# Altium PCB Panelizado.PcbDoc (part 2 of 4)
Units mm, origin at the board's own origin, x right, y up, seen from the top; angles counter-clockwise.
Board outline 420 x 503 mm, 2 copper layers (Top Layer, Bottom Layer); 456 components, 297 nets, 1240 pads, 557 vias.
Unrouted connection lines stored in the file: 247.
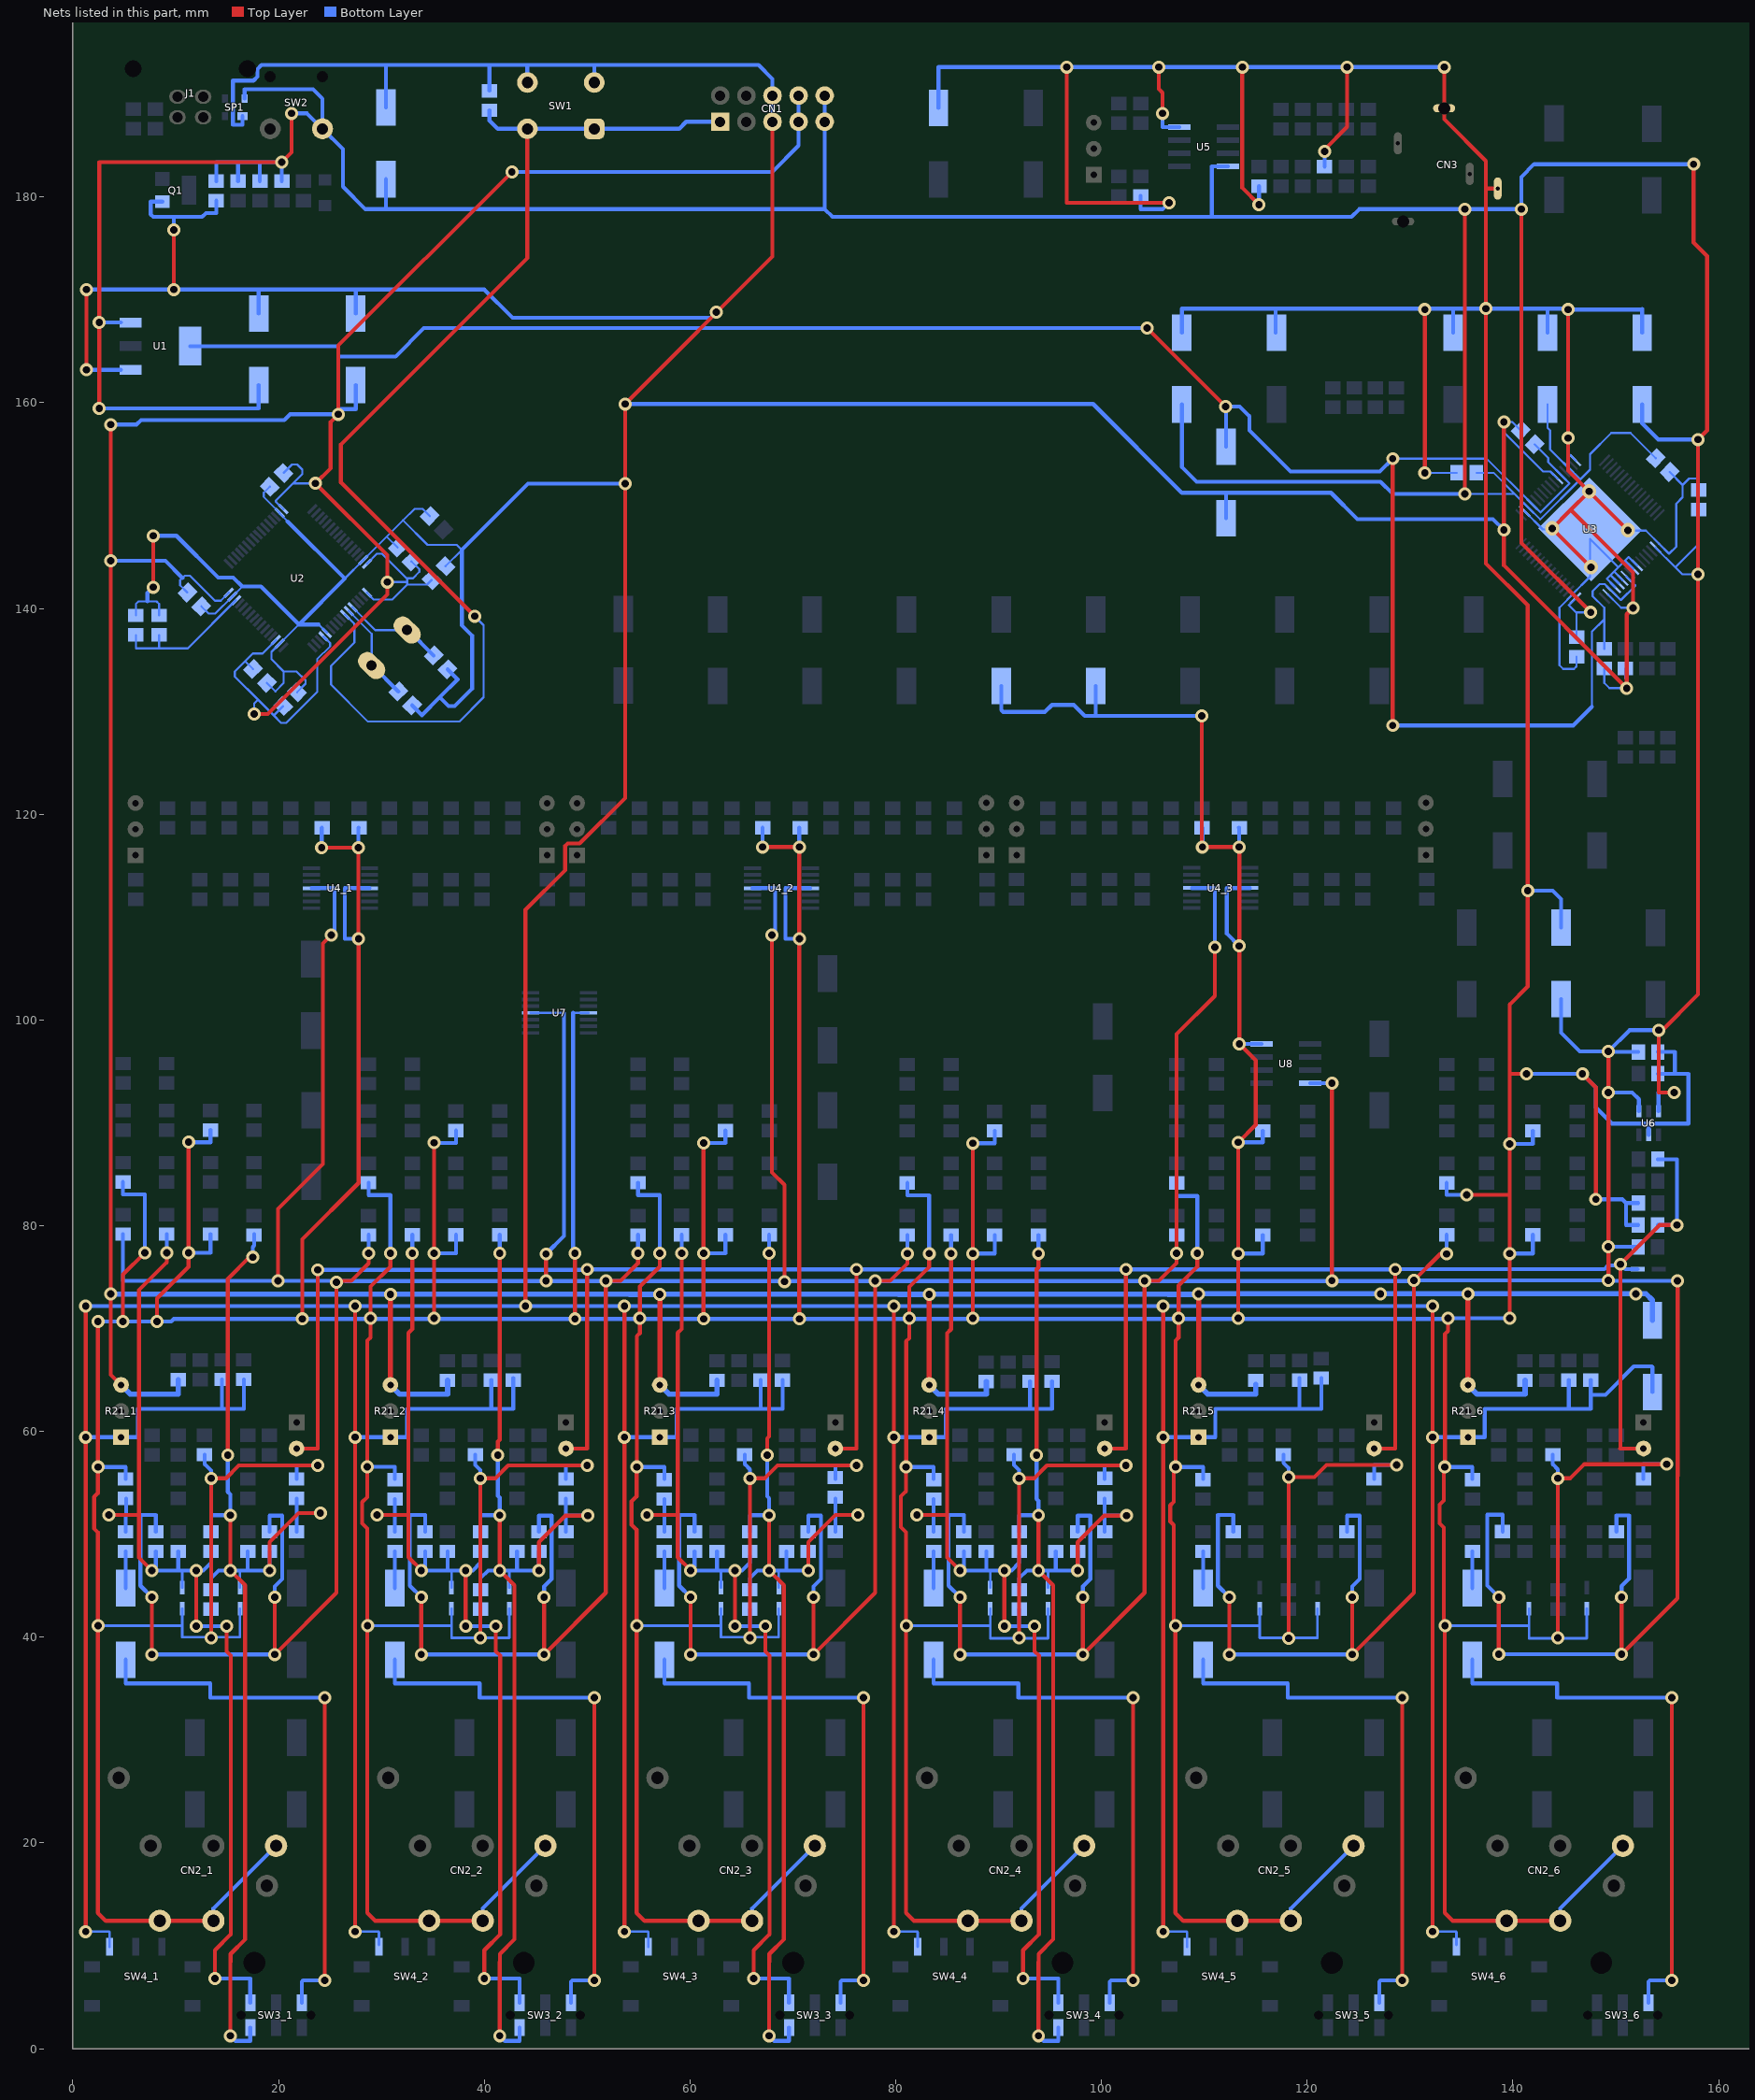
[diagram p2: the nets of this part, all layers, seen from the top]

## Part data
B1: "Conecta distintos planos de masa por una pista"
C3 C4 C5 C6 C7 C8 C9 C10 C11 C12 C13 C15 C17_1 C17_2 C17_3 C17_4 C17_5 C17_6 C21 C22 C25 C26 C29 C30 C49_1 C49_2 C49_3 C49_4 C49_5 C49_6 C50_1 C50_2 C50_3 C50_4 C50_5 C50_6 C51_1 C51_2 C51_3 C52_1 C52_2 C52_3 C53_1 C53_2 C53_3 C54_1 C54_2 C54_3 C55_1 C55_2 C55_3 C56_1 C56_2 C56_3 C59_1 C59_2 C59_3 C60_1 C60_2 C60_3 C61 C63 C66 C68 C69 C70 C71 C72 C73 C74 C75 C76 C77 C78 C79 C80 C81 C82 C83 C84 C85 C86 C87 C88 C89_1 C89_2 C89_3 C89_4 C89_5 C89_6 C90_1 C90_2 C90_3 C90_4 C90_5 C90_6 C91_1 C91_2 C91_3 C91_4 C91_5 C91_6 C92_1 C92_2 C92_3 C92_4 C92_5 C92_6 C93_1 C93_2 C93_3 C93_4 C93_5 C93_6: "Capacitor de placas paralelas", tolerancia=X7R, Encapsulado=0805, tension=25V, Valor=100nF
CN1: "STLINK V2 Mini"
D1: library part Led, Color=Verde, Cod. Proveedor=67-1549-1-ND, Encapsulado=SMD, Link=https://www.digikey.com/product-detail/es/SML-LX0603GW-TR/67-1549-1-ND/304360?utm_campaign=buynow&WT.z_cid=ref_octopart_dkc_buynow&utm_medium=aggregator&curr=usd&site=us&utm_source=octopart, Proveedor=Digi-Key
D2 D3_1 D3_2 D3_3 D3_4 D3_5 D3_6 D4_1 D4_2 D4_3 D4_4 D4_5 D4_6: library part "Schottky Diode", Cod. Proveedor=1727-5845-1-ND, Encapsulado=SOD-128, Fabricante=Nexperia, Link=https://www.digikey.com/product-detail/es/PMEG6010EP,115/1727-5845-1-ND/2697507?utm_campaign=buynow&WT.z_cid=ref_octopart_dkc_buynow&utm_medium=aggregator&curr=usd&site=us&utm_source=octopart, Proveedor=Digi-Key
J1: "Conector micro USB tipo B", Cod. Proveedor=CO4821095, Encapsulado="SMD B TYPE SIDE ENTRY", Proveedor=Elemon
L1: library part Inductor, Cod. Proveedor=478-7137-1-ND, Encapsulado=SMD, Fabricante="AVX Corporation", Link=https://www.digikey.com/product-detail/es/L0201R68AHSTR/500/478-7137-1-ND/3455469?utm_campaign=buynow&WT.z_cid=ref_octopart_dkc_buynow&utm_medium=aggregator&curr=usd&site=us&utm_source=octopart, Proveedor=Digi-Key, Valor=0.68nH
Q1: library part NPN, "NPN", Cod. Proveedor=1727-2918-1-ND, Encapsulado=TO-236AB, Fabricante="Nexperia USA Inc.", Link=https://www.digikey.com/products/es?keywords=1727-2918-1-ND, Proveedor=Digi-Key
R1 R8_1 R8_2 R8_3 R8_4 R8_5 R8_6 R9_1 R9_2 R9_3 R9_4 R9_5 R9_6 R10_1 R10_2 R10_3 R10_4 R10_5 R10_6 R24_1 R24_2 R24_3 R25_1 R25_2 R25_3 R26_1 R26_2 R26_3 R27_1 R27_2 R27_3 R28_1 R28_2 R28_3 R29_1 R29_2 R29_3 R30_1 R30_2 R30_3 R31_1 R31_2 R31_3 R34_1 R34_2 R34_3 R35_1 R35_2 R35_3 R36_1 R36_2 R36_3 R37_1 R37_2 R37_3 R38 R39 R40 R41 R42 R43 R44 R45 R46 R47 R48 R50 R75 R78 R81 R82 R83 R84 R85 R86 R87 R88 R89 R92 R93 R94 R95 R96 R97 R98 R99 R100 R103 R104 R105 R106 R107 R108 R109 R110 R111 R114 R115 R116 R117 R118 R119 R120 R121 R122 R125 R126 R127 R128 R129 R130 R131 R132 R133 R136 R137 R138 R139 R140 R141 R142 R143: "Resistencia", tolerancia=10%, Potencia=1/4W
  R1: Valor=10K
  R8_1 R8_2 R8_3 R8_4 R8_5 R8_6 R34_1 R34_2 R34_3 R35_1 R35_2 R35_3 R39 R43 R47 R81 R85 R92 R97 R103 R107 R114 R118 R125 R129 R136 R140: Valor=1K
  R9_1 R9_2 R9_3 R9_4 R9_5 R9_6: Valor=15K
  R10_1 R10_2 R10_3 R10_4 R10_5 R10_6: Valor=8K2
  R24_1 R24_2 R24_3 R25_1 R25_2 R25_3 R28_1 R28_2 R28_3 R29_1 R29_2 R29_3 R30_1 R30_2 R30_3 R31_1 R31_2 R31_3: Valor=1K5
  R26_1 R26_2 R26_3 R27_1 R27_2 R27_3 R36_1 R36_2 R36_3 R37_1 R37_2 R37_3 R84 R95 R106 R117 R128 R139: Valor=47
  R38 R48 R78 R88 R89 R96 R100 R110 R111 R121 R122 R132 R133 R143: Valor=5K6
  R40 R44 R82 R86 R93 R98 R104 R108 R115 R119 R126 R130 R137 R141: Valor=6K8
  R41 R45: Valor=360R
  R42: Valor=4K7
  R46: Valor=47R
  R50: Valor=100R
  R75: Valor=1M
  R83 R87 R94 R99 R105 R109 R116 R120 R127 R131 R138 R142: Valor=360
R2 R3 R4 R5 R6 R7 R11 R22_1 R22_2 R22_3 R22_4 R22_5 R22_6 R23_1 R23_2 R23_3 R23_4 R23_5 R23_6 R51 R52 R53 R54 R55 R56 R57 R58 R59 R60 R61 R62 R63 R64 R65 R66 R67 R68 R69 R70 R71 R72 R73 R74 R76 R77 R79 R80 R90 R91 R101 R102 R112 R113 R123 R124 R134 R135 R144_1 R144_2 R144_3 R144_4 R144_5 R144_6 R145_1 R145_2 R145_3 R145_4 R145_5 R145_6 R146_1 R146_2 R146_3 R146_4 R146_5 R146_6 R147_1 R147_2 R147_3 R147_4 R147_5 R147_6: "Resistencia", tolerancia=5%
  R2: Potencia=1/10W, Valor=330R
  R3: Potencia=1/10W, Valor=47k
  R4 R5 R6 R7: Potencia=1/10W, Valor=22R
  R11: Potencia=1/10W, Valor=220K
  R22_1 R22_2 R22_3 R22_4 R22_5 R22_6 R144_1 R144_2 R144_3 R144_4 R144_5 R144_6 R147_1 R147_2 R147_3 R147_4 R147_5 R147_6: Potencia=1/4W, Valor=1K
  R23_1 R23_2 R23_3 R23_4 R23_5 R23_6: Potencia=1/4W, Valor=15K
  R51 R52 R53 R54 R55 R56 R57 R58 R59 R60 R61 R62 R63 R64 R65 R66 R67 R68 R69 R70 R71 R72 R73 R74 R79 R80 R90 R91 R101 R102 R112 R113 R123 R124 R134 R135: Potencia=1/4W, Valor=1M
  R76: Potencia=1/4W, Valor=33K
  R77: Potencia=1/4W, Valor=1K8
  R145_1 R145_2 R145_3 R145_4 R145_5 R145_6: Potencia=1/4W, Valor=6K8
  R146_1 R146_2 R146_3 R146_4 R146_5 R146_6: Potencia=1/4W, Valor="6 K8"
R12 R13 R14 R15 R16 R17 R18 R19 R20: "Resistencia", Potencia=1/10W, Valor=100R
R21_1 R21_2 R21_3 R21_4 R21_5 R21_6 R32_1 R32_2 R32_3 R33_1 R33_2 R33_3 R49: library part Potenciometer, tolerancia=10%, Potencia=1/4W, Valor=10K
SP1: library part "Double ESD", "Double rail-to-rail ESD protection diode", Cod. Proveedor=1727-3884-1-ND, Encapsulado=SOT-143B, Link=https://www.digikey.com/product-detail/es/PRTR5V0U2X,215/1727-3884-1-ND/1589981?utm_campaign=buynow&WT.z_cid=ref_octopart_dkc_buynow&utm_medium=aggregator&curr=usd&site=us&utm_source=octopart, Proveedor=Digi-Key
SW1 SW5_1 SW5_2 SW5_3 SW5_4 SW5_5 SW5_6: "Pulsador de 4 pines"
  SW5_1 SW5_2 SW5_3 SW5_4 SW5_5 SW5_6: Cod. Proveedor=GH1365-ND, Encapsulado="Montaje en panel, posterior", Fabricante="Grayhill Inc.", Link=https://www.digikey.com/product-detail/es/30-3/GH1365-ND/686796?utm_campaign=buynow&WT.z_cid=ref_octopart_dkc_buynow&utm_medium=aggregator&curr=usd&site=us&utm_source=octopart, Proveedor=Digi-Key
SW4_1 SW4_2 SW4_3 SW4_4 SW4_5 SW4_6: library part SWITCH_3, "Pulsador de 4 pines", Cod. Proveedor=563-1246-1-ND, Encapsulado=SMD, Fabricante="Nidec Copal Electronics", Link=https://www.digikey.com/product-detail/en/nidec-copal-electronics/CFPA-1FB4-A2T/563-1246-1-ND/2357767, Proveedor=Digi-Key
U1: "LDO Regulator", Cod. Proveedor=LM1117IMP-ADJ/NOPBCT-ND, Encapsulado=SOT-223-4, Fabricante="Texas Instruments", Link=https://www.digikey.com/product-detail/es/LM1117IMP-ADJ-NOPB/LM1117IMP-ADJ-NOPBCT-ND/483060?utm_campaign=buynow&WT.z_cid=ref_octopart_dkc_buynow&utm_medium=aggregator&curr=usd&site=us&utm_source=octopart, Proveedor=Digi-Key
U2: library part STM32F4xxR2, Manufacturer=STMicroelectronics, Manufacturer_Part_Number=stm32f4xxr2, _BOOT0="conectado a VDD o DGND a traves de R=10K", _BOOT0=0="0: Main Flash memory is selected as boot space", _BOOT0=1="1: System memory is selected as boot space", _VDD="Capa de 100nF", Cod. Proveedor=497-17428-ND, Encapsulado=64-LQFP, Link=https://www.digikey.com/product-detail/es/STM32F401RBT6/497-17428-ND/4755972?utm_campaign=buynow&WT.z_cid=ref_octopart_dkc_buynow&utm_medium=aggregator&curr=usd&site=us&utm_source=octopart, Proveedor=Digi-Key, Vendor=STMicroelectronics
U3: library part PCM3168A-Q1_PAP_, Manufacturer="Texas Instruments", Manufacturer_Part_Number=PCM3168A-Q1_PAP_64, Vendor="Texas Instruments"
U4_1 U4_2 U4_3 U7: library part Opamp_x4, "Integrado con 4 operacionales", Cod. Proveedor=296-22024-1-ND, Encapsulado=8-SOIC, Fabricante="Texas Instruments", Link=https://www.digikey.com/product-detail/es/OPA2134UA-2K5/296-22024-1-ND/301154?utm_campaign=buynow&WT.z_cid=ref_octopart_dkc_buynow&utm_medium=aggregator&curr=usd&site=us&utm_source=octopart, Proveedor=Digi-Key
U5: "Integrado con 2 operacionales"
U6: "Low IQ Boost/SEPIC/Inverting Converter with 1A, 60V Switch", Cod. Proveedor=LT8330ES6#TRMPBFCT-ND, Encapsulado=TSOT-23-6, Fabricante="Linear Technology/Analog Devices", Link=https://www.digikey.com/product-detail/es/LT8330ES6%2523TRMPBF/LT8330ES6%2523TRMPBFCT-ND/5361671?utm_campaign=buynow&WT.z_cid=ref_octopart_dkc_buynow&utm_medium=aggregator&curr=usd&site=us&utm_source=octopart, Proveedor=Digi-Key
U8: library part Opamp_x2, "Integrado con 2 operacionales", Cod. Proveedor=296-22024-1-ND, Encapsulado=8-SOIC, Fabricante="Texas Instruments", Link=https://www.digikey.com/product-detail/es/OPA2134UA-2K5/296-22024-1-ND/301154?utm_campaign=buynow&WT.z_cid=ref_octopart_dkc_buynow&utm_medium=aggregator&curr=usd&site=us&utm_source=octopart, Proveedor=Digi-Key
Y1: "Resonador cerámico", frecuencia=8MHZ
C1 C2 C14 C16_1 C16_2 C16_3 C16_4 C16_5 C16_6 C18_1 C18_2 C18_3 C18_4 C18_5 C18_6 C19 C20 C23 C24 C27 C28 C31 C32 C33 C34 C35 C36 C37 C38 C39 C40 C41 C42 C43 C44 C45 C46 C47_1 C47_2 C47_3 C47_4 C47_5 C47_6 C48_1 C48_2 C48_3 C48_4 C48_5 C48_6 C57_1 C57_2 C57_3 C58_1 C58_2 C58_3 C62 C64 C65 C67: tension=16V, Valor=10uF
SW2: Cod. Proveedor=EG2615-ND, Encapsulado=SMD, Fabricante=E-Switch, Link=https://www.digikey.com/product-detail/en/e-switch/800SP9B6M6RE/EG2615-ND/502079, Proveedor=Digi-Key
SW3_1 SW3_2 SW3_3 SW3_4 SW3_5 SW3_6: Cod. Proveedor=CKN10722TR-ND, Encapsulado=SMD, Fabricante=C&K, Link=https://www.digikey.com/product-detail/en/c-k/JS202011JAQN/CKN10722TR-ND/6137629, Proveedor=Digi-Key

## Via types
v1: diameter 1.27, hole 0.711, Top Layer to Bottom Layer, 553 vias
v2: diameter 1.4, hole 0.7, Top Layer to Bottom Layer, 4 vias

## Nets (pads, with @x,y where several pads share a name; then routed paths per layer and width w, separated by ;. In a path a pad name is that pad's centre, name@x,y a point inside that pad or via, vN(x,y) a via of type N, cw(c..) or ccw(c..) an arc to the next point about the centre after c; other vN are vias at no path point)
3V3_D: C2.1 C3.1 C4.1 C7.1 C8.1 C9.1 C10.1 C20.1 C22.1 C24.1 C26.1 CN1.7 CN1.8 R21_1.3 R21_2.3 R21_3.3 R21_4.3 R21_5.3 R21_6.3 R22_1.2 R22_2.2 R22_3.2 R22_4.2 R22_5.2 R22_6.2 U1.4 U2.1 U2.13 U2.19 U2.32 U2.48 U2.64 U3.4 U3.12 U3.42 U3.46 | length 762.7
  Top Layer w0.381: v1@3.688,73.374 3.688,65.517 R21_1.3@4.687,64.518 ; v1(3.688,73.375) v1(3.688,73.375) v1(3.689,144.625) ; v1(3.689,144.625) v1@3.688,158.188 ; v1(17.625,129.75) 18.938,129.75 30.563,141.375 v1(30.563,142.562) 30.563,145.187 v1(23.594,152.156) 25.063,153.625 25.063,158.125 v1(25.813,158.875) 25.813,165.563 v1(42.687,182.437) ; v1(104.437,167.25) v1(112.062,159.625) ; v1(128.312,128.625) v1(128.312,154.563)
  Top Layer w0.508: R21_2.3@30.875,64.518 v1(30.875,73.313) ; R21_3.3@57.062,64.518 v1(57.062,73.323) ; R21_4.3@83.25,64.518 v1(83.25,73.323) ; R21_5.3@109.437,64.518 v1(109.437,73.375) ; R21_6.3@135.625,64.518 v1(135.625,73.375)
  Bottom Layer w0.203: C8.1@11.141,141.547 10.438,142.25 10.438,142.75 10.656,142.969 10.875,143.187 11.375,143.187 13.812,140.75 14.386,140.75 U2.32@15.16,141.523 ; C4.1@17.516,134.109 16.75,134.875 ; v1(17.625,129.75) 17.625,130.762 17.957,131.094 18.031,131.094 ; U2.19@19.756,136.927 18.454,135.625 17.5,135.625 16.75,134.875 ; C7.1@20.453,130.516 19.531,129.594 ; U2.48@20.463,149.655 19.75,150.368 19.75,150.5 21.406,152.156 ; C9.1@20.484,153.172 21.312,154 21.813,154 22.313,153.5 22.313,153.063 21.406,152.156 ; v1(23.594,152.156) 21.406,152.156 ; U2.13@24.352,137.281 25,136.633 25,136.313 23.75,135.063 23.75,131.875 20.75,128.875 20.25,128.875 19.531,129.594 ; U2.1@28.595,141.523 29.243,140.875 31.062,140.875 32.5,142.312 ; U2.64@28.595,144.352 29.555,145.313 30.063,145.313 32.438,142.937 33.062,142.937 33.687,143.562 33.687,143.812 C10.1@32.922,144.578 ; v1(30.563,142.562) 32.5,142.562 ; 32.625,142.937 32.5,142.812 32.5,142.562 ; C3.1@34.891,142.766 34.437,142.312 32.5,142.312 ; v1(128.312,154.563) 137.443,154.563 U3.4@141.861,150.145 142.679,149.326 145.508,152.154 U3.12@144.689,152.973 143.438,154.225 143.438,154.625 C26.1@142.109,155.953 ; 147.687,130.437 147.687,137.75 148.812,138.875 ; C22.1@148.875,136.075 148.875,140.063 147.75,141.188 147.75,141.687 148.438,142.375 148.923,142.375 U3.46@149.604,141.695 150.486,140.812 150.5,140.812 151.875,142.188 151.875,142.252 U3.42@151.018,143.109 ; 16.75,134.875 15.75,133.875 15.75,133.375 18.031,131.094 ; 18.031,131.094 19.531,129.594 ; 32.5,142.312 32.5,142.562
  Bottom Layer w0.381: v1(3.688,157.875) 6.188,157.875 6.625,158.313 20.562,158.313 21.125,158.875 v1(25.813,158.875) v1@25.813,159.375 ; v1(3.689,144.625) 9,144.625 10.656,142.969 ; U1.4@11.4,165.5 25.813,165.5 25.813,164.5 ; C2.1@27.5,161.708 27.5,159.375 v1@25.813,159.375 ; v1(42.687,182.437) 68,182.437 70.557,184.995 CN1.7@70.557,187.313 CN1.8@70.557,189.853 ; v1(104.437,167.25) 34.125,167.25 31.375,164.5 25.813,164.5 ; C24.1@112.125,155.73 112.125,159.562 v1(112.062,159.625) 113.437,159.625 114.375,158.687 114.375,157.312 118.375,153.313 127.062,153.313 v1(128.312,154.563) ; v1@128.687,128.625 145.875,128.625 147.687,130.437 ; v1@25.813,159.375 25.813,164.5
  Bottom Layer w0.508: v1(3.688,73.375) 3.706,73.356 30.856,73.356 v1@30.875,73.375 ; R21_1.3@4.687,64.518 5.58,63.625 10.25,63.625 R22_1.2@10.25,65.028 ; R21_2.3@30.875,64.518 31.767,63.625 36.437,63.625 R22_2.2@36.437,64.965 ; v1(30.875,73.313) 30.893,73.33 54.098,73.33 54.106,73.323 v1(57.062,73.323) 57.07,73.331 80.286,73.331 80.293,73.323 v1(83.25,73.323) 83.257,73.331 106.473,73.331 106.481,73.323 v1@109.438,73.323 ; R21_3.3@57.062,64.518 57.955,63.625 62.625,63.625 R22_3.2@62.625,64.965 ; R21_4.3@83.25,64.518 84.142,63.625 88.812,63.625 R22_4.2@88.812,64.84 ; R21_5.3@109.437,64.518 110.33,63.625 115,63.625 R22_5.2@115,64.59 ; v1(109.437,73.375) v1(127.125,73.375) v1(135.625,73.375) v1(151.937,73.375) 152.938,73.375 153.562,72.75 C20.1@153.562,70.792 ; R21_6.3@135.625,64.518 136.517,63.625 141.187,63.625 R22_6.2@141.187,64.965
5V: C1.1 C14.1 C15.1 C19.1 C21.1 C23.1 C25.1 C27.1 C28.1 C29.1 C30.1 C68.1 CN1.9 CN1.10 L1.1 R2.2 R3.2 R4.1 R51.1 R53.1 R55.1 R57.1 R59.1 R61.1 R63.1 R65.1 R67.1 R69.1 R71.1 R73.1 R79.1 R90.1 R101.1 R112.1 R123.1 R134.1 SP1.4 SW2.2 U1.3 U3.3 U3.14 U3.34 U3.49 U4_1.4 U4_2.4 U4_3.4 U5.4 U6.4 U6.6 U7.4 U8.8 | length 1449.1
  Top Layer w0.381: v1@7.688,38.375 v1(7.688,43.875) ; v1(19.625,43.875) v1(19.625,38.312) 25.625,44.313 v1(25.625,74.499) ; v1(19.937,74.625) 19.937,81.625 24.312,86 24.312,107.437 v1(25.125,108.25) ; v1(21.25,188.125) 21.25,184.333 v1(20.312,183.395) 2.562,183.395 v1(2.562,167.812) v1@2.562,167.375 ; v1@25.625,74.65 27.063,74.65 28.75,76.338 v1(28.75,77.312) ; v1@33.875,38.375 v1(33.875,43.875) ; v1(45.812,43.875) v1(45.812,38.312) 51.813,44.313 v1(51.813,74.625) ; v1@45.999,74.499 v1(45.999,74.625) v1(45.999,77.249) ; v1@51.813,74.65 53.25,74.65 54.938,76.338 v1(54.938,77.312) ; v1@60.062,38.375 v1(60.062,43.875) ; v1(67.972,108.25) 67.972,85.188 69.187,83.972 v1(69.187,74.563) ; v1(72,43.875) v1(72,38.312) 78,44.313 v1(78,74.625) 79.437,74.625 81.125,76.312 v1(81.125,77.287) ; v1@86.25,38.375 v1(86.25,43.875) ; v1(98.187,43.875) v1(98.187,38.312) 104.188,44.313 v1(104.188,74.625) 105.562,74.625 107.309,76.372 v1(107.309,77.316) 107.309,98.622 111.013,102.325 v1(111.013,107.063) ; v1@112.375,38.312 112.437,38.375 v1(112.437,43.875) ; v1(122.407,74.657) v1(122.407,93.845) ; v1(124.375,43.875) v1(124.375,38.312) 130.375,44.313 v1(130.375,74.687) 132.938,77.25 v1(133.563,77.25) ; v1(135.313,151.125) v1(135.313,178.812) ; v1@138.625,38.395 v1(138.625,43.895) ; v1(140.812,178.812) 140.812,146.375 v1(147.562,139.625) ; v1@149.284,74.341 v1(149.284,74.688) v1(149.284,92.952) v1(149.284,96.952) ; v1(150.562,43.895) v1(150.562,38.333) 156,43.77 156,55.688 156.017,55.705 156.017,74.608 v1(156,74.625) ; 154.173,92.952 154.187,92.938 ; v1(155.687,92.938) 154.187,92.938 ; v1(157.563,183.188) 157.563,175.562 158.875,174.25 158.875,157.298 v1(158,156.423) v1(158,143.313) 158,102.487 154.388,98.875 154.263,99 v1(154.187,99) 154.187,92.938 ; v1@2.562,167.375 v1(2.562,159.437) v1@2.562,167.375
  Bottom Layer w0.203: v1(135.313,151.125) 140.173,151.125 ; C25.1@136.45,153.187 138.111,153.187 140.173,151.125 ; C27.1@143.375,159.833 143.375,157.563 143.625,157.312 143.625,155.452 U3.14@145.396,153.68 146.538,152.538 ; U3.49@146.103,140.988 145.437,140.322 146.134,139.625 ; C29.1@146.188,137.2 146.188,139.572 146.134,139.625 ; v1(147.562,139.625) 146.134,139.625 ; U3.34@153.846,145.937 155.784,144 ; C30.1@153.891,154.609 151.438,157.063 149.562,157.063 147.5,155 147.5,153.5 146.538,152.538 ; v1(158,143.313) 156.471,143.313 155.784,144 ; C21.1@158.063,149.612 158.063,146.279 155.784,144 ; 140.173,151.125 U3.3@141.507,149.791 142.649,148.649 146.538,152.538
  Bottom Layer w0.254: U7.4@44.493,100.687 47.75,100.687
  Bottom Layer w0.381: v1(2.562,159.437) 3.125,159.437 18.062,159.437 C1.1@18.062,161.708 ; v1(2.562,167.812) 4.65,167.812 U1.3@4.662,167.8 ; R79.1@4.875,79.175 4.875,74.625 11.5,74.625 11.515,74.64 11.515,74.625 v1(19.937,74.625) v1@25.625,74.625 ; v1(7.688,38.312) v1(19.625,38.312) ; v1(7.688,43.875) 6.563,45 6.563,51.875 8.063,51.875 R51.1@8.063,50.242 ; C15.1@13.938,181.533 13.938,183.395 16.062,183.395 ; R3.2@16.062,181.533 16.062,183.395 ; SP1.4@16.7,189.558 16.7,190.458 23.355,190.458 24.268,189.545 SW2.2@24.268,186.628 ; R4.1@18.185,181.55 18.185,183.395 ; R53.1@19.125,50.242 19.125,51.812 20.353,51.812 20.353,45.665 19.625,44.937 v1(19.625,43.875) ; R2.2@20.31,181.55 20.312,181.553 v1(20.312,183.395) 18.185,183.395 ; v1(21.25,188.125) 22.77,188.125 SW2.2@24.268,186.628 ; U4_1.4@23.209,112.812 25.437,112.812 25.437,108.562 v1(25.125,108.25) ; v1(25.625,74.499) v1@25.625,74.625 ; v1(28.75,77.312) R90.1@28.75,79.112 ; C14.1@30.438,181.728 30.438,178.812 ; v1(33.875,38.312) v1(45.812,38.312) ; v1(33.875,43.875) 32.75,45 32.75,51.875 34.25,51.875 R55.1@34.25,50.242 ; R57.1@45.313,50.242 45.313,51.812 46.54,51.812 46.54,45.665 45.812,44.937 v1(45.812,43.875) ; v1(45.999,77.249) 47.75,79 47.75,100.687 ; v1(54.938,77.312) R101.1@54.938,79.112 ; v1(60.062,38.312) v1(72,38.312) ; v1(60.062,43.875) 58.937,45 58.937,51.875 60.437,51.875 R59.1@60.437,50.242 ; U4_2.4@66.056,112.812 68.284,112.812 v1@68.284,108.563 ; R61.1@71.5,50.242 71.5,51.812 72.728,51.812 72.728,45.665 72,44.937 v1(72,43.875) ; CN1.10@73.097,189.853 CN1.9@73.097,187.313 73.097,178.812 ; v1(81.125,77.287) R112.1@81.125,79.087 ; v1(86.25,38.312) v1(98.187,38.312) ; v1(86.25,43.875) 85.125,45 85.125,51.875 86.625,51.875 R63.1@86.625,50.242 ; R65.1@97.688,50.242 97.688,51.812 98.915,51.812 98.915,45.665 98.187,44.937 v1(98.187,43.875) ; v1(107.309,77.316) R123.1@107.309,79.087 ; C28.1@107.812,159.833 107.812,153.75 109.25,152.312 127.125,152.312 128.313,151.125 v1(135.313,151.125) ; U4_3.4@108.784,112.825 111.013,112.825 v1(111.013,107.063) ; U5.4@112.3,182.97 110.72,182.97 110.72,178.062 ; v1@112.375,38.312 v1(112.437,38.312) v1(124.375,38.312) ; v1(112.437,43.875) 111.313,45 111.313,51.875 112.812,51.875 R67.1@112.812,50.242 ; U8.8@120.3,93.845 v1(122.407,93.845) ; v1@122.375,74.621 26.518,74.621 26.515,74.625 v1@25.625,74.625 ; v1@122.407,74.621 v1@130.375,74.621 ; R69.1@123.875,50.242 123.875,51.812 125.103,51.812 125.103,45.665 124.375,44.937 v1(124.375,43.875) ; v1(130.375,74.687) v1(149.284,74.688) 149.347,74.625 v1(156,74.625) ; v1(133.563,77.25) R134.1@133.563,79.112 ; v1(138.625,38.333) v1(150.562,38.333) ; v1(138.625,43.895) 137.5,45.02 137.5,51.895 139,51.895 R71.1@139,50.263 ; C19.1@144.688,102.02 144.688,98.75 146.485,96.952 v1(149.284,96.952) 151.332,99 v1(154.187,99) ; v1(149.284,77.952) 152.16,77.952 L1.1@152.175,77.937 ; v1(149.284,92.952) 151.587,92.952 152.25,92.289 U6.4@152.25,91.125 ; v1@149.347,96.89 C68.1@152.187,96.89 ; R73.1@150.063,50.263 150.063,51.833 151.29,51.833 151.29,45.686 150.562,44.958 v1(150.562,43.895) ; C23.1@152.562,159.833 152.562,158 154.139,156.423 v1(158,156.423) ; U6.6@154.15,91.125 154.15,92.938 v1(155.687,92.938) ; v1(157.563,183.188) 142.063,183.188 140.812,181.937 v1(140.812,178.812) v1(135.313,178.812) 125.063,178.812 124.312,178.062 110.72,178.062 ; 16.062,183.395 18.185,183.395 ; SW2.2@24.268,186.628 26.25,184.645 26.25,181 28.437,178.812 30.438,178.812 ; 30.438,178.812 73.097,178.812 ; 73.097,178.812 73.848,178.062 110.72,178.062
48V: C69.1 D2.1 R75.2 SW5_1.2 SW5_2.2 SW5_3.2 SW5_4.2 SW5_5.2 SW5_6.2 | length 263.5
  Top Layer w0.381: SW5_1.2@21.75,58.335 23.812,58.335 v1(23.812,75.704) ; SW5_2.2@47.937,58.335 50,58.335 v1(50,75.75) ; SW5_3.2@74.125,58.335 76.188,58.335 v1(76.188,75.75) ; SW5_4.2@100.312,58.335 102.375,58.335 v1(102.375,75.75) ; SW5_5.2@126.5,58.335 128.563,58.335 v1(128.563,75.75) ; SW5_6.2@152.688,58.335 150.423,58.335 150.437,58.35 v1(150.437,76.25) 154.25,80.062 v1(155.938,80.062)
  Bottom Layer w0.381: v1(23.812,75.704) v1@50,75.704 ; v1(50,75.75) v1(76.188,75.75) v1(102.375,75.75) v1(128.563,75.75) 128.58,75.767 148.892,75.767 149.25,76.125 150.113,76.125 v1@150.423,75.815 ; v1(150.437,76.25) 150.923,75.765 D2.1@152.115,75.765 ; C69.1@154.075,80.062 v1(155.938,80.062) 155.938,86.449 R75.2@154.087,86.449
AGND: B1.1 C19.2 C21.2 C23.2 C25.2 C27.2 C28.2 C29.2 C30.2 C31.2 C32.2 C35.2 C36.2 C59_1.2 C59_2.2 C59_3.2 C60_1.2 C60_2.2 C60_3.2 C66.2 C67.2 C68.2 C69.2 C70.2 C73.2 C77.2 C79.2 C82.2 C85.2 C88.2 C91_1.2 C91_2.2 C91_3.2 C91_4.2 C91_5.2 C91_6.2 CN2_1.1 CN2_1.G CN2_1.S CN2_2.1 CN2_2.G CN2_2.S CN2_3.1 CN2_3.G CN2_3.S CN2_4.1 CN2_4.G CN2_4.S CN2_5.1 CN2_5.G CN2_5.S CN2_6.1 CN2_6.G CN2_6.S CN3.1 CN3.2 D3_1.2 D3_2.2 D3_3.2 D3_4.2 D3_5.2 D3_6.2 D4_1.2 D4_2.2 D4_3.2 D4_4.2 D4_5.2 D4_6.2 R47.1 R48.1 R52.2 R54.2 R56.2 R58.2 R60.2 R62.2 R64.2 R66.2 R68.2 R70.2 R72.2 R74.2 R77.1 R80.2 R88.1 R91.2 R100.1 R102.2 R110.1 R113.2 R121.1 R124.2 R132.1 R135.2 R143.1 U3.2 U3.16 U3.33 U3.39 U3.40 U3.43 U3.44 U3.45 U3.50 U3.EPAD U4_1.11 U4_2.11 U4_3.11 U5.8 U6.2 U7.11 U8.4 | length 1878.1
  Top Layer w0.203: 147.25,147.937 B1.1@147.438,147.75
  Top Layer w0.381: v1@2.428,41.105 2.428,13.197 3.197,12.428 CN2_1.S@8.453,12.428 CN2_1.G@13.66,12.428 ; v1@2.428,41.125 2.428,50.197 2.063,50.562 2.063,53.625 2.428,53.99 v1@2.428,56.542 ; v1(2.438,70.687) 2.438,56.553 v1(2.448,56.542) ; v1@4.875,71 4.875,75.25 v1(7,77.375) ; v1(8.187,70.687) 8.187,72.937 11.25,76 v1(11.25,77.375) v1(11.25,88.125) ; v1(13.437,39.937) v1(13.437,55.437) ; v1(13.437,55.437) 14.875,55.437 16.125,56.687 v1(23.812,56.687) ; v1(22.313,70.938) 22.313,78.688 27.778,84.153 v1(27.778,107.875) 27.75,107.903 v1(27.75,116.75) v1(24.188,116.75) ; v1@28.615,41.105 28.615,13.197 29.385,12.428 CN2_2.S@34.64,12.428 CN2_2.G@39.847,12.428 ; v1@28.615,41.125 28.615,50.572 28.125,51.062 28.125,53.125 28.615,53.615 v1@28.615,56.542 ; v1(28.625,56.563) 28.625,68.812 28.938,69.125 v1(28.938,71) 28.938,74.087 30.875,76.025 v1(30.875,77.312) ; v1(35.125,70.989) v1(35.125,77.312) v1(35.125,88.062) ; v1(39.625,39.937) v1(39.625,55.437) ; v1(39.625,55.437) 41.062,55.437 42.312,56.687 v1(50,56.687) ; v1(48.813,70.938) v1(48.813,77.312) ; v1@54.803,41.105 54.803,13.197 55.572,12.428 CN2_3.S@60.828,12.428 CN2_3.G@66.035,12.428 ; v1@54.803,41.125 54.803,50.447 54.312,50.938 54.312,53.187 54.803,53.678 v1@54.803,56.542 ; v1(54.823,56.542) 54.823,69.26 55.125,69.562 v1(55.125,71) 55.125,74.087 57.063,76.025 v1(57.063,77.312) ; v1(61.313,70.938) v1(61.313,77.312) v1(61.313,88.037) ; v1(65.812,39.937) v1(65.812,55.437) ; v1(65.812,55.437) 67.25,55.437 68.5,56.687 v1(76.188,56.687) ; v1(67.062,116.812) 70.312,116.812 v1@70.625,117.125 ; v1(70.625,70.938) v1(70.625,116.812) ; v1@80.99,41.105 80.99,13.197 81.76,12.428 CN2_4.S@87.015,12.428 CN2_4.G@92.222,12.428 ; v1@80.99,41.125 80.99,50.197 80.5,50.688 80.5,53.687 80.99,54.178 v1@80.99,56.542 ; v1(81.011,56.542) 81.011,68.761 81.312,69.062 v1(81.312,71) 81.312,74.062 83.25,76 v1(83.25,77.287) ; v1@87.5,70.688 v1(87.5,77.287) v1(87.5,88.012) ; v1(92,39.937) v1(92,55.437) ; v1(92,55.437) 93.437,55.437 94.687,56.687 v1(102.375,56.687) ; v1(96.625,192.625) 96.625,179.437 v1(106.562,179.437) ; v1(105.562,192.625) 105.562,190.5 105.937,190.125 v1(105.937,188.125) ; v1@107.178,41.105 107.178,13.197 107.947,12.428 CN2_5.S@113.203,12.428 CN2_5.G@118.41,12.428 ; v1@107.178,41.125 107.034,41.269 107.034,50.904 106.688,51.25 106.688,52.813 107.034,53.159 107.034,56.398 v1@107.178,56.542 ; v1(107.198,56.542) 107.198,68.823 107.5,69.125 v1(107.5,71) 107.5,74.187 109.312,76 v1(109.312,77.312) ; v1(109.75,129.562) 109.75,117.222 109.813,117.159 v1(109.813,116.812) 113.028,116.812 113.354,117.138 113.405,117.086 v1@113.405,107.187 ; v1@113.299,70.639 v1(113.299,77.287) v1(113.299,88.1) 115,89.801 115,96.06 v1(113.405,97.655) v1@113.405,107.187 ; v1(113.375,107.187) v1@113.405,107.187 ; v1(113.687,192.625) 113.687,180.875 v1(115.312,179.25) ; v1@118.187,39.937 118.187,55.562 120.688,55.562 121.875,56.75 v1(128.687,56.75) ; v1(121.687,184.435) 121.687,184.626 123.875,186.814 v1(123.875,192.625) ; v1(131.436,169.06) 131.436,153.189 v1(131.437,153.187) ; v1(133.312,192.625) CN3.1@133.312,188.618 133.312,187.563 137.375,183.5 137.375,180.821 ; v1@133.365,41.105 133.365,13.197 134.135,12.428 CN2_6.S@139.39,12.428 CN2_6.G@144.597,12.428 ; v1@133.365,41.125 133.284,41.206 133.284,50.654 132.875,51.063 132.875,52.875 133.284,53.284 133.284,56.461 v1@133.365,56.542 ; v1(133.385,56.542) 133.385,69.448 133.687,69.75 v1(133.687,71) ; v1(135.5,83) 139.688,83 ; CN3.2@138.519,180.821 137.375,180.821 ; v1(139.688,77.287) v1(139.688,87.938) 139.688,94.75 ; v1(139.698,70.989) v1@139.698,77.188 ; v1(141.313,94.75) 139.688,94.75 ; v1(144.375,39.937) v1@144.375,55.437 ; v1(144.375,55.437) 145.562,55.437 146.937,56.813 v1(154.938,56.813) ; v1(145.373,169.06) v1(145.375,156.563) v1(145.375,156.563) 145.375,153.405 v2(147.41,151.369) ; v1(146.75,94.75) 148.063,93.438 v1(148.063,82.562) ; 147.25,147.937 145.666,149.522 145.563,149.522 ; v2(147.59,144.006) v2(143.818,147.777) 145.563,149.522 ; v2(151.182,147.598) v2(147.41,151.369) ; 137.375,180.821 137.375,144.375 141.436,140.314 v1(141.436,112.563) 141.436,103.248 139.688,101.5 139.688,94.75 ; 145.563,149.522 v2(147.41,151.369)